# Altium PCB PCB1.PcbDoc
Units mm, origin at the board's own origin, x right, y up, seen from the top; angles counter-clockwise.
Board outline 108.97 x 94.36 mm, 2 copper layers (Top Layer, Bottom Layer); 19 components, 23 nets, 95 pads, 12 vias.
Unrouted connection lines stored in the file: 4.
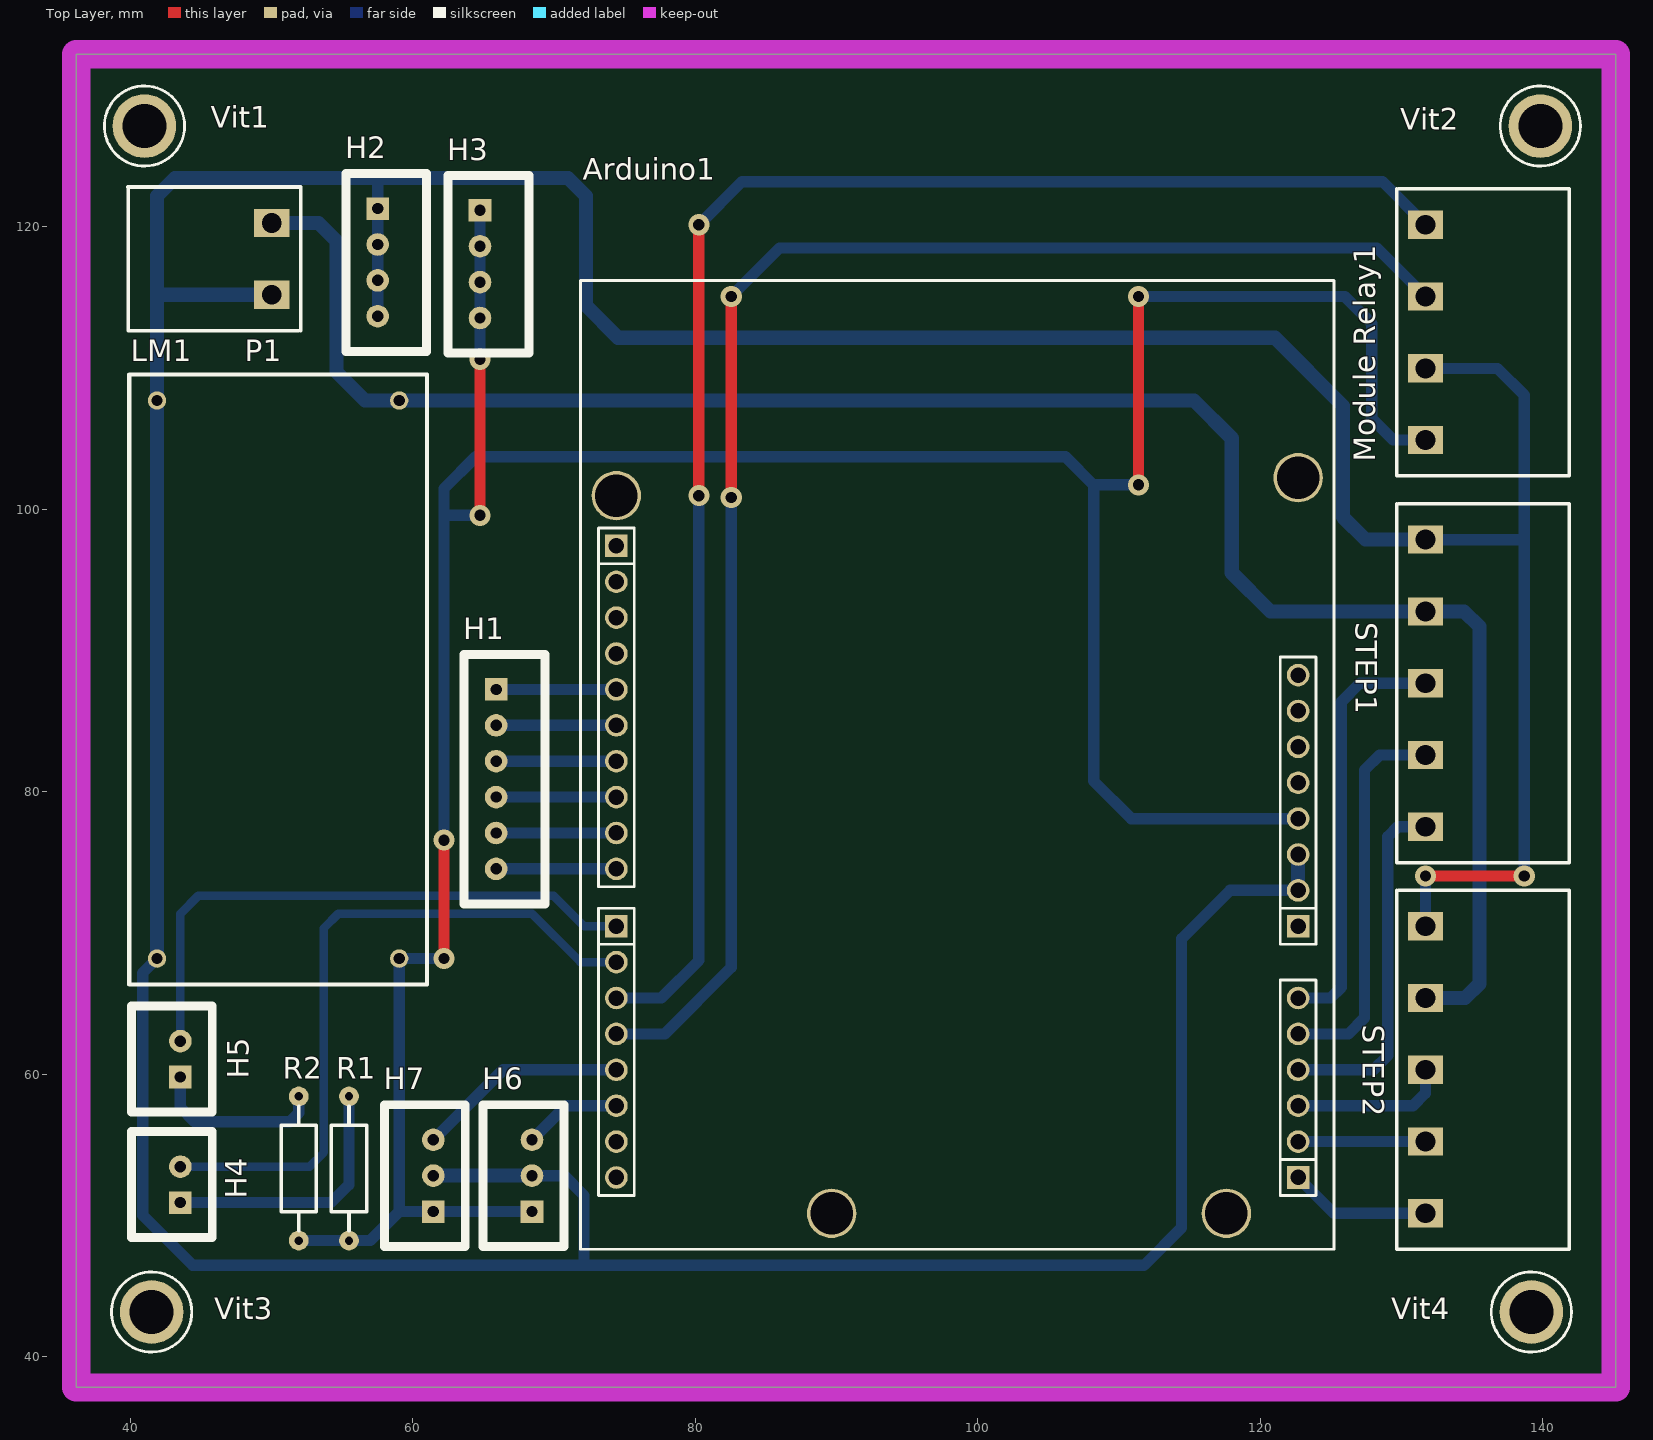
[diagram p0: Top Layer view]
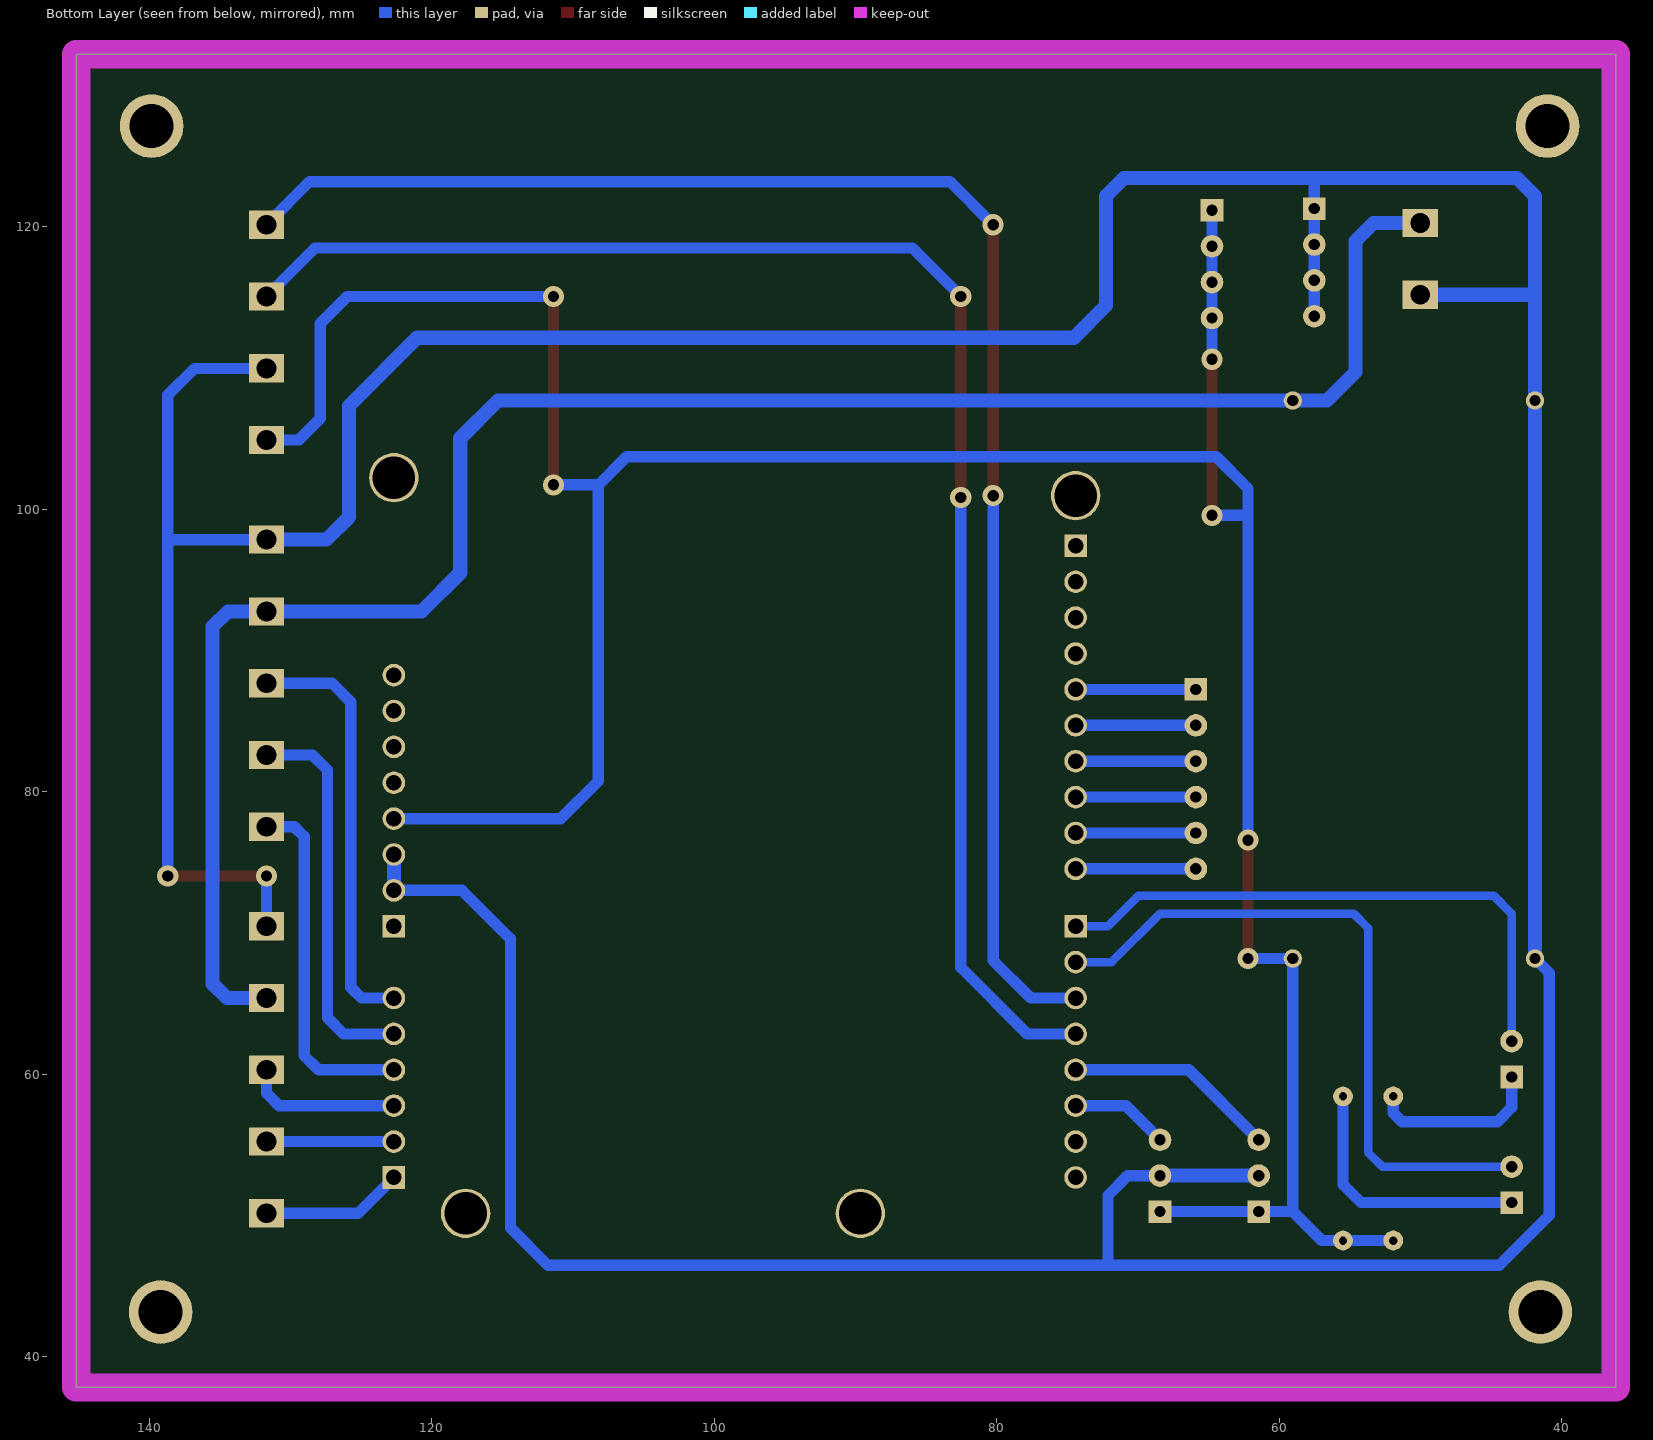
[diagram p1: Bottom Layer view, seen from below]

## Layer stack, top to bottom
Top Solder: solder mask 0.0102, Solder Resist, Dk 3.5
Top Layer: signal copper 0.0356
Dielectric 1: dielectric 0.32, FR-4, Dk 4.8
Bottom Layer: signal copper 0.0356
Bottom Solder: solder mask 0.0102, Solder Resist, Dk 3.5

## Board outline
36.195,37.846 36.195,132.207 145.161,132.207 145.161,37.846

## Design rules (kind name [scope] priority, off if disabled: settings)
Clearance [All] p1: gap=0.6 ignorepadtopadclearanceinfootprint=FALSE except(0.8: Track-Fill Track-Poly Via-Fill Via-Poly Fill-Fill Fill-Poly Poly-Poly)
PlaneConnect [All] p1: planeconnectstyle=Relief reliefexpansion=0.508 reliefentries=4 reliefconductorwidth=0.508 reliefairgap=0.508
PolygonConnect [All] p1: connectstyle=Relief reliefconductorwidth=0.508 reliefentries=4 polygonreliefangle="90 Angle" airgapwidth=0.508
RoutingVias [All] p1: holewidth=0.8 width=1.5 viastyle="Through Hole" minholewidth=0.8 minwidth=1.5 maxholewidth=0.8 maxwidth=1.5
SolderMaskExpansion [All] p1: expansion=0.102
Width [All] p1: maxlimit=1.5 minlimit=0.6 preferedwidth=0.8
29 further rules are at their usual default settings.

## Components (designator, comment, footprint, x,y, rotation, side; value= is the part's Value field where it differs from the comment)
Arduino1 "Arduino Uno R3" "Arduino UNO R3" 99.568,82.55 r90 top value="Cau 1A"
H1 "h1" XH2.54M-6 65.913,87.249 r270 top
H2 "0V" XH2.54M-4 57.531,121.285 r270 top
H3 "'5V" XH2.54M-4 64.77,121.158 r270 top
H4 "LED1" XH2.54M-2 43.561,50.927 r90 top
H5 "LED2" XH2.54M-2 43.561,59.817 r90 top
H6 "SENSOR1" XH2.54M-3 68.453,50.292 r90 top
H7 "SENSOR2" XH2.54M-3 61.468,50.292 r90 top
LM1 "LM2596" LM2596_Module 50.482,87.947 r270 top
"Module Relay1" "CON 4 EDG5.08" "CON 4 4EDG5.08" 131.699,120.142 r270 top
P1 "CON 2 EDG5.08" "CON 2 2EDG5.08" 50.038,115.189 r90 top
R1 "330R" "tro vach 1/4w" 55.499,53.34 r90 top
R2 "330R" "tro vach 1/4w" 51.943,53.34 r90 top
STEP1 "CON 5 EDG5.08" "CON 5 5EDG5.08" 131.699,97.853 r270 top
STEP2 "CON 5 EDG5.08" "CON 5 5EDG5.08" 131.699,70.485 r270 top
Vit1 "Vit" "Vit M3" 41.021,127.127 r0 top
Vit2 "Vit" "Vit M3" 139.827,127.127 r0 top
Vit3 "Vit" "Vit M3" 41.529,43.18 r0 top
Vit4 "Vit" "Vit M3" 139.192,43.18 r0 top

## Footprints (in the part's own frame and the unit in brackets; to place one, negate y for a bottom-side part, rotate by r counter-clockwise, add the part's x,y. Pads: shape width x height; smd on the part's side, far side on the other; paste and mask are expansions set on the pad)
"Arduino UNO R3" [mm]
  round 1.6 hole 1.1: 0-RX(-29.845,25.146) 1-TX(-27.305,25.146) 2(-24.765,25.146) 3V3(-1.905,-23.114) 4(-19.685,25.146) 5V(-4.445,-23.114) 8(-8.001,25.146) 12(2.159,25.146) 13(4.699,25.146) A0(-17.145,-23.114) A1(-19.685,-23.114) A2(-22.225,-23.114) A3(-24.765,-23.114) A4(-27.305,-23.114) AREF(9.779,25.146) GND(-9.525,-23.114) GND(-6.985,-23.114) GND(7.239,25.146) IOREF(3.175,-23.114) NC(5.715,-23.114) RESET(0.635,-23.114) SDA(12.319,25.146) ~3(-22.225,25.146) ~5(-17.145,25.146) ~6(-14.605,25.146) ~9(-5.461,25.146) ~10(-2.921,25.146) ~11(-0.381,25.146)
  rect 1.6x1.6 hole 1.1: 7(-12.065,25.146) A5(-29.845,-23.114) SCL(14.859,25.146) Vin(-12.065,-23.114)
  round 3.5 hole 3: GND(-32.385,9.906) GND(18.415,25.146) GND(19.685,-23.114) ""(-32.385,-18.034)
  oval 0x2 all layers, no hole: ""(-32.385,-18.034)
  round 0 all layers, no hole: ""(-32.385,9.906) ""(18.415,25.146) ""(19.685,-23.114)
  silkscreen extent -34.92,-25.65 33.66,27.69, body extent -34.93,-25.65 40,27.69, height 15.28
"CON 2 2EDG5.08" [mm]
  rect 2x2.5 hole 1.4: 1(0,0) 2(5.08,0)
  silkscreen extent -2.54,-2.03 7.62,10.21, body extent -2.5,-1.75 7.58,10.25, height 3.15
"CON 4 4EDG5.08" [mm]
  rect 2x2.5 hole 1.4: 1(0,0) 1(0,0) 2(5.08,0) 2(5.08,0) 3(10.16,0) 3(10.173,0) 4(15.24,0)
  silkscreen extent -2.54,-2.03 17.78,10.17, body extent -2.5,-1.75 17.74,10.25, height 3.15
"CON 5 5EDG5.08" [mm]
  rect 2x2.5 hole 1.4: 1(0,0) 2(5.08,0) 3(10.16,0) 4(15.24,0) 5(20.32,0)
  silkscreen extent -2.54,-2.03 22.86,10.16, body extent -2.5,-1.75 22.82,10.25, height 3.15
LM2596_Module [mm]
  round 1.3 hole 0.8 mask+0.1: 1(-19.749,8.573) 2(-19.748,-8.572) 3(19.749,-8.572) 4(19.748,8.573)
  silkscreen extent -21.59,-10.54 21.59,10.54, body extent -21.75,-10.5 21.75,10.5, height 13.21
"tro vach 1/4w" [mm]
  round 1.4 hole 0.6: 1(-5.1,0) 2(5.1,0)
  silkscreen extent -4.39,-1.25 4.42,1.25, body extent -5.38,-1.2 5.38,1.2, height 2.41
"Vit M3" [mm]
  round 4.5 hole 3.1 mask+0.1: 1(0,0)
  silkscreen extent -2.84,-2.84 2.84,2.84
XH2.54M-2 [mm]
  rect 1.6x1.6 hole 0.8: 1(0,0)
  round 1.6 hole 0.8: 2(2.54,0)
  silkscreen extent -2.48,-2.26 5.02,3.46, body extent -2.48,-2.26 5.02,3.48, height 6.91
XH2.54M-3 [mm]
  rect 1.6x1.6 hole 0.8: 1(0,0)
  round 1.6 hole 0.8: 2(2.54,0) 3(5.08,0)
  silkscreen extent -2.48,-2.26 7.56,3.46, body extent -2.48,-2.26 7.56,3.48, height 6.91
XH2.54M-4 [mm]
  rect 1.6x1.6 hole 0.8: 1(0,0)
  round 1.6 hole 0.8: 2(2.54,0) 3(5.08,0) 4(7.62,0)
  silkscreen extent -2.48,-2.26 10.1,3.46, body extent -2.48,-2.26 10.1,3.48, height 6.91
XH2.54M-6 [mm]
  rect 1.6x1.6 hole 0.8: 1(0,0)
  round 1.6 hole 0.8: 2(2.54,0) 3(5.08,0) 4(7.62,0) 5(10.16,0) 6(12.7,0)
  silkscreen extent -2.48,-2.26 15.18,3.46, body extent -2.48,-2.26 15.18,3.48, height 6.91

## Part data
Arduino1: "Arduino UNO R3", ="Cau 5A"
H1: library part "Header 6P 2.54 Duc Thang", "C?m", Chung_Loai=C?m, Don_Vi=Con, Ma_Hang=MH001972, Ten_Linh_Kien="Header 6P XH2.54-6P Ð?c Th?ng"
H2 H3: library part "Header 4P 2.54 Duc Thang", "C?m", Chung_Loai=C?m, Don_Vi=Con, Ma_Hang=MH001285, Ten_Linh_Kien="Header 4P XH2.54-4P Ð?c Th?ng"
H4 H5: library part "Header 2P 2.54 Duc Thang", "C?m", Chung_Loai=C?m, Don_Vi=Con, Ma_Hang=MH001283, Ten_Linh_Kien="Header 2P XH2.54-2P Ð?c Th?ng"
H6 H7: library part "Header 3P 2.54 Duc Thang", "C?m", Chung_Loai=C?m, Don_Vi=Con, Ma_Hang=MH001292, Ten_Linh_Kien="Header 3P XH2.54-3P Ð?c Th?ng"
LM1: library part LM2596_Module
"Module Relay1" P1 STEP1 STEP2: "C?m", Chung_Loai=C?m, Don_Vi=Con
  "Module Relay1": Ma_Hang=MH000979, Ten_Linh_Kien="CON 4 2EDG5.08-4P 5.08MM ( Xanh Cong)"
  P1: Ma_Hang=MH000759, Ten_Linh_Kien="CON 2 2EDG5.08-2P 5.08MM ( Xanh Cong)"
  STEP1 STEP2: Ma_Hang=MH003589, Ten_Linh_Kien="CON 5 2EDG5.08-5P 5.08MM ( Xanh Cong)"
R1 R2: library part "Tro Vach 1/4W 1% 330R", "C?m", Chung_Loai=C?m, Don_Vi=Con, Ma_Hang=MH006348, So_Chan=2, Ten_Linh_Kien="Tr? V?ch 1/4w 1% 330R"

## Via types
v1: diameter 1.5, hole 0.8, Top Layer to Bottom Layer, 12 vias

## Nets (pads, with @x,y where several pads share a name; then routed paths per layer and width w, separated by ;. In a path a pad name is that pad's centre, name@x,y a point inside that pad or via, vN(x,y) a via of type N, cw(c..) or ccw(c..) an arc to the next point about the centre after c; other vN are vias at no path point)
+5: "Module Relay1.4" Arduino1.5V H3.1 H3.2 H3.3 H3.4 H6.1 H7.1 LM1.4 R1.1 R2.1 | length 225.1
  Top Layer w0.8: v1(62.23,68.199) v1(62.23,76.581) ; v1(64.77,99.568) v1(64.77,110.617) ; v1(111.379,101.727) v1(111.379,115.062)
  Bottom Layer w0.8: R2.1 R1.1 57.003,48.24 59.055,50.292 ; v1(62.23,68.199) LM1.4 59.055,50.292 ; v1(62.23,76.581) 62.23,99.568 ; v1(64.77,99.568) 62.23,99.568 ; v1(64.77,110.617) H3.4 H3.3 H3.2 H3.1 ; H6.1 H7.1 59.055,50.292 ; v1(111.379,101.727) 108.204,101.727 ; v1(111.379,115.062) 125.984,115.062 127.889,113.157 127.889,106.426 129.413,104.902 131.699,104.902 ; Arduino1.5V 110.871,78.105 108.204,80.772 108.204,101.727 ; 62.23,99.568 62.23,101.473 64.472,103.715 106.216,103.715 108.204,101.727
+12: LM1.1 P1.2 STEP1.2 STEP2.2 | length 137.8
  Bottom Layer w1: P1.2 53.34,120.269 54.61,118.999 54.61,109.728 56.642,107.696 LM1.1 115.316,107.696 117.983,105.029 117.983,95.504 120.713,92.773 STEP1.2 134.429,92.773 135.509,91.694 135.509,66.421 134.493,65.405 STEP2.2
DIR1: Arduino1.A1 STEP1.4 | length 27.5
  Bottom Layer w0.8: Arduino1.A1 126.238,62.865 127.381,64.008 127.381,81.534 128.46,82.614 STEP1.4
DIR2: Arduino1.A4 STEP2.4 | length 9
  Bottom Layer w0.8: Arduino1.A4 STEP2.4
EN1: Arduino1.A0 STEP1.3 | length 30.1
  Bottom Layer w0.8: Arduino1.A0 124.968,65.405 125.73,66.167 125.73,86.36 127.063,87.694 STEP1.3
EN2: Arduino1.A3 STEP2.3 | length 11
  Bottom Layer w0.8: Arduino1.A3 130.81,57.785 131.699,58.674 STEP2.3
GND: "Module Relay1.3" Arduino1.GND H2.1 H2.2 H2.3 H2.4 H6.2 H7.2 LM1.2 LM1.3 P1.1 STEP1.1 STEP2.1 | length 384.8
  Top Layer w0.8: v1(131.699,74.041) v1(138.684,74.041)
  Bottom Layer w0.8: LM1.3 40.894,67.183 40.894,50.038 44.45,46.482 72.136,46.482 ; H2.4 H2.3 H2.2 H2.1 57.531,123.444 ; H6.2 70.739,52.832 72.136,51.435 72.136,46.482 ; Arduino1.GND@122.682,73.025 117.856,73.025 114.427,69.596 114.427,49.149 111.76,46.482 72.136,46.482 ; STEP2.1 v1(131.699,74.041) ; STEP1.1 138.684,97.853 ; 131.699,109.969 136.792,109.969 138.684,108.077 138.684,97.853 ; v1(138.684,74.041) 138.684,97.853
  Bottom Layer w1: LM1.3 LM1.2 41.91,115.189 ; P1.1 41.91,115.189 ; H7.2 H6.2 ; Arduino1.GND@122.682,73.025 Arduino1.GND@122.682,75.565 ; STEP1.1 127.444,97.853 125.857,99.441 125.857,107.315 121.031,112.141 74.549,112.141 72.263,114.427 72.263,122.174 70.993,123.444 57.531,123.444 43.18,123.444 41.91,122.174 41.91,115.189
LED1: Arduino1.~6 H4.2 | length 49
  Bottom Layer w0.6: H4.2 52.705,53.467 53.721,54.483 53.721,70.358 54.737,71.374 68.453,71.374 71.882,67.945 Arduino1.~6
LED2: Arduino1.7 H5.2 | length 41.3
  Bottom Layer w0.6: H5.2 43.561,71.374 44.831,72.644 69.977,72.644 72.136,70.485 Arduino1.7
NetArduino1_8: Arduino1.8 H1.6 | length 8.5
  Bottom Layer w0.8: H1.6 Arduino1.8
NetArduino1_12: Arduino1.12 H1.2 | length 8.5
  Bottom Layer w0.8: H1.2 Arduino1.12
NetArduino1_13: Arduino1.13 H1.1 | length 8.5
  Bottom Layer w0.8: H1.1 Arduino1.13
NetArduino1_~9: Arduino1.~9 H1.5 | length 8.5
  Bottom Layer w0.8: H1.5 Arduino1.~9
NetArduino1_~10: Arduino1.~10 H1.4 | length 8.5
  Bottom Layer w0.8: H1.4 Arduino1.~10
NetArduino1_~11: Arduino1.~11 H1.3 | length 8.5
  Bottom Layer w0.8: H1.3 Arduino1.~11
NetH4_1: H4.1 R1.2 | length 18.7
  Bottom Layer w0.8: H4.1 54.229,50.927 55.499,52.197 R1.2
NetH5_1: H5.1 R2.2 | length 12.4
  Bottom Layer w0.8: H5.1 43.561,57.658 44.577,56.642 51.308,56.642 51.943,57.277 R2.2
PUL1: Arduino1.A2 STEP1.5 | length 25.2
  Bottom Layer w0.8: Arduino1.A2 128.016,60.325 129.032,61.341 129.032,76.835 129.731,77.534 STEP1.5
PUL2: Arduino1.A5 STEP2.5 | length 10.1
  Bottom Layer w0.8: Arduino1.A5 125.222,50.165 STEP2.5
RELAY1: "Module Relay1.2" Arduino1.4 | length 109.6
  Top Layer w0.8: v1(82.55,100.838) v1(82.55,115.062)
  Bottom Layer w0.8: Arduino1.4 77.851,62.865 82.55,67.564 v1(82.55,100.838) ; v1(82.55,115.062) 85.979,118.491 128.27,118.491 131.699,115.062
RELAY2: "Module Relay1.1" Arduino1.~5 | length 113
  Top Layer w0.8: v1(80.264,100.965) v1(80.264,120.142)
  Bottom Layer w0.8: Arduino1.~5 77.597,65.405 80.264,68.072 v1(80.264,100.965) ; v1(80.264,120.142) 83.312,123.19 128.651,123.19 131.699,120.142
SENSOR1: Arduino1.2 H6.3 | length 7
  Bottom Layer w0.8: H6.3 70.866,57.785 Arduino1.2
SENSOR2: Arduino1.~3 H7.3 | length 15
  Bottom Layer w0.8: H7.3 66.421,60.325 Arduino1.~3
pads on no net: Arduino1. Arduino1.0-RX Arduino1.1-TX Arduino1.3V3 Arduino1.AREF Arduino1.IOREF Arduino1.NC Arduino1.RESET Arduino1.SCL Arduino1.SDA Arduino1.Vin Vit1.1 Vit2.1 Vit3.1 Vit4.1

## Keep-outs
Keep-Out Layer:
  the board outline again, w2